# Altium PCB roach2.PcbDoc (part 8 of 39) (continued)
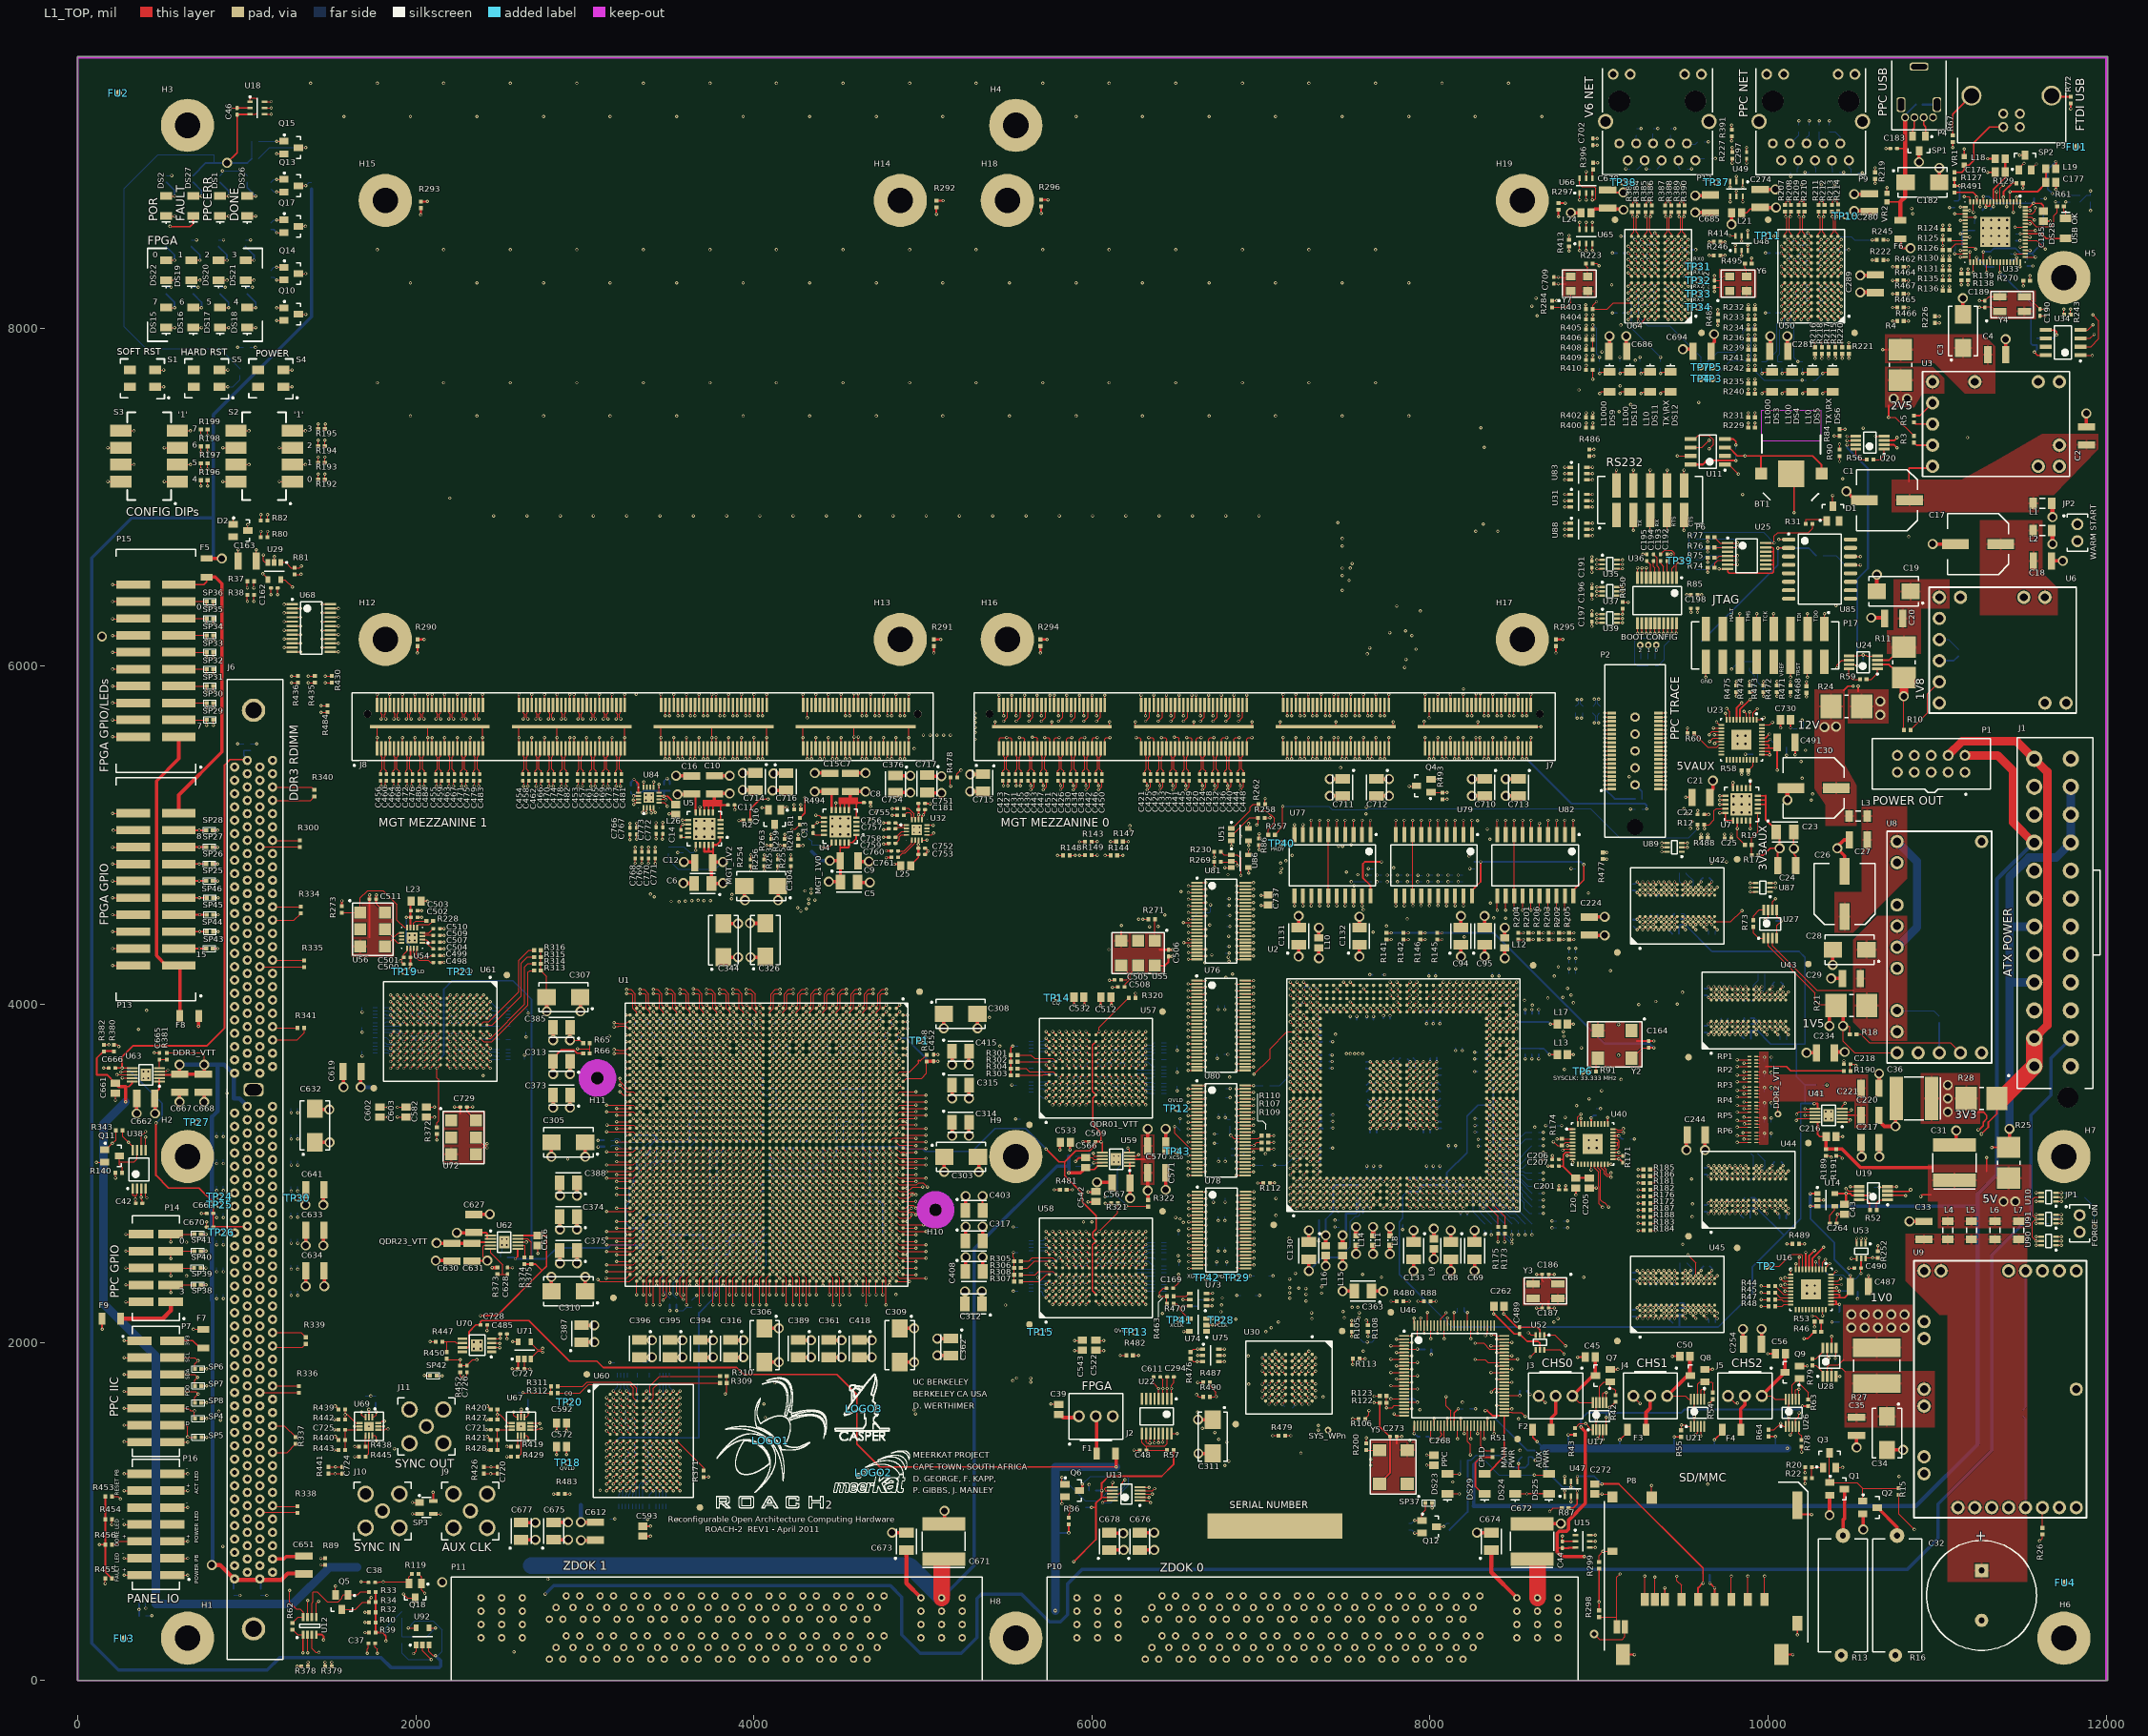
[diagram p0: L1_TOP view]
## Nets (pads, with @x,y where several pads share a name; then routed paths per layer and width w, separated by ;. In a path a pad name is that pad's centre, name@x,y a point inside that pad or via, vN(x,y) a via of type N, cw(c..) or ccw(c..) an arc to the next point about the centre after c; other vN are vias at no path point) (continued)
  L12_S w5: v2(1193.11,7092.99) 1418.29,7092.99 v2(1462.68,7137.38)
CONFIG_DIP1: R193.1 S2.2 U46.42 | length 16417.7
  L1_TOP w5: S2.2@1270.31,7192.6 v2(1347.51,7192.6) ; R193.1@1462.68,7202.99 v2(1462.68,7237.38) ; U46.42@8221.73,1506.73 8221.73,1411.86 8238.99,1394.6 v2(8238.99,1334.68)
  L8_R w5: v2(1347.51,7192.6) 1347.51,7240.47 1122.99,7464.99 526.99,7464.99 433.99,7371.99 433.99,6331.58 201.6,6099.19 199.65,6099.19 141,6040.54 141,3795.49 168.79,3767.7 168.79,3754.28 171.99,3751.08 171.99,2846.69 228.99,2789.69 228.99,1352.99 392.99,1188.99 568.99,1188.99 634.75,1123.23 634.75,1116.28 644.24,1106.79 651.19,1106.79 876.61,881.37 949.51,881.37 988.88,842 1017.1,842 1045.85,870.75 1097.01,870.75 1136.38,831.38 1186.66,831.38 1245.05,772.99 1455.01,772.99 1513,715 2955,715 3120.99,880.99 3826.95,880.99 4245.76,1299.8 5377.85,1299.8 5431.66,1245.99 6112.62,1245.99 6121.12,1237.49 6164.87,1237.49 6173.37,1245.99 6361.66,1245.99 6496.66,1110.99 7819.32,1110.99 7954.32,1245.99 8000.21,1245.99 8007.21,1252.99 8157.3,1252.99 v2(8238.99,1334.68)
  L12_S w5: v2(1347.51,7192.6) 1417.9,7192.6 v2(1462.68,7237.38)
CONFIG_DIP2: R194.1 S2.3 U46.41 | length 16241.6
  L1_TOP w5: v2(1193.11,7293.39) S2.3@1270.31,7293.39 ; R194.1@1462.68,7302.99 v2(1462.68,7337.38) ; v3(8202.05,1461.52) U46.41@8202.05,1506.73
  L8_R w5: v2(1193.11,7293.39) 1193.11,7336.87 1100.99,7428.99 540.99,7428.99 454.99,7342.99 454.99,6322.88 222.56,6090.45 222.56,6076.28 165,6018.72 165,3803.89 201.19,3767.7 201.19,3745.68 192.99,3737.48 192.99,3187.9 188.79,3183.7 188.79,2955.19 192.99,2950.99 192.99,2855.39 251.97,2796.41 251.97,1382.02 418.99,1214.99 581.86,1214.99 667.15,1129.7 667.15,1128.83 846.49,949.49 955.71,949.49 959.93,945.26 959.93,936.97 986.78,910.12 1034.94,910.12 1063.69,881.37 1099.12,881.37 1138.49,842 1166.71,842 1186.66,861.95 1186.66,862.66 1210.99,886.99 1268.99,886.99 1356.99,798.99 1465.01,798.99 1486,778 1510,754 2962,754 3056,848 3056,863 3090.99,897.99 3380.61,897.99 3382.28,896.32 3395.7,896.32 3397.37,897.99 3819.91,897.99 4238.72,1316.8 5384.89,1316.8 5438.7,1262.99 6119.66,1262.99 6136.16,1246.49 6149.83,1246.49 6166.33,1262.99 6368.7,1262.99 6503.7,1127.99 7812.28,1127.99 7947.28,1262.99 7968.29,1262.99 7974.02,1257.26 7987.44,1257.26 7999.17,1268.99 8150.99,1268.99 8202.05,1320.05 v3(8202.05,1461.52)
  L12_S w5: v2(1193.11,7293.39) 1418.69,7293.39 v2(1462.68,7337.38)
CONFIG_DIP3: R195.1 S2.4 U46.40 | length 16712
  L1_TOP w5: S2.4@1270.31,7392.99 v2(1347.51,7392.99) ; R195.1@1464.99,7398.99 v2(1464.99,7433.38) ; U46.40@8182.36,1506.73 v3(8182.36,1551.94)
  L8_R w5: v2(1347.51,7392.99) 1380.99,7359.51 1380.99,7124.99 1268.99,7012.99 1178.99,7012.99 1094.99,7096.99 1094.99,7206.99 890.99,7410.99 568.99,7410.99 475.99,7317.99 475.99,6314.18 178,6016.19 178,3820 213.99,3784.01 213.99,3728.78 206.45,3721.24 206.45,3555.58 213.99,3548.05 213.99,3446.75 206.76,3439.51 206.76,3426.09 213.99,3418.86 213.99,3190.9 221.19,3183.7 221.19,3170.28 207.07,3156.16 207.07,2966.09 213.99,2959.18 213.99,2864.09 320.99,2757.09 320.99,2659.9 331.19,2649.7 331.19,2216.89 310.99,2196.69 310.99,1388.99 462.99,1236.99 608.99,1236.99 646.99,1198.99 666.99,1198.99 905.87,960.12 957.81,960.12 968.93,948.99 968.93,940.7 988.88,920.75 1017.1,920.75 1045.85,949.49 1109.74,949.49 1140.24,918.99 1294.99,918.99 1388.99,824.99 1470.01,824.99 1512,783 2584,783 2677,876 3000,876 3038.99,914.99 3368.55,914.99 3382.28,928.72 3395.7,928.72 3409.43,914.99 3812.87,914.99 4231.68,1333.8 5391.93,1333.8 5445.74,1279.99 6375.74,1279.99 6510.74,1144.99 7805.24,1144.99 7940.24,1279.99 7964.35,1279.99 7974.02,1289.66 7987.44,1289.66 7990.11,1286.99 8142.99,1286.99 8182.36,1326.36 v3(8182.36,1551.94)
  L12_S w5: v2(1347.51,7392.99) 1424.61,7392.99 v2(1464.99,7433.38)
CONFIG_DIP4: R196.1 S3.1 U46.39 | length 14919.1
  L1_TOP w5: v2(513.11,7092.99) S3.1@590.31,7092.99 ; v2(729.31,7066.61) R196.1@729.31,7100.99 ; v2(8162.68,1428.55) U46.39@8162.68,1506.73
  L8_R w5: v2(513.11,7092.99) 496.99,7076.87 496.99,6305.48 234.99,6043.48 234.99,3781.9 259.19,3757.7 259.19,3744.28 215.45,3700.54 215.45,3576.28 234.99,3556.74 234.99,3443.68 239.16,3439.51 239.16,3426.09 234.99,3421.93 234.99,2984 239.47,2979.51 239.47,2966.09 234.99,2961.61 234.99,2872.79 341.99,2765.79 341.99,2197.99 332.99,2188.99 332.99,1416.99 472.99,1276.99 628.99,1276.99 877.75,1028.23 960.14,1028.23 999.51,988.86 1034.94,988.86 1063.69,960.12 1091.9,960.12 1120.65,988.86 1269.12,988.86 1410.7,847.28 1487.72,847.28 1527,808 2568,808 2658.15,898.15 3002.15,898.15 3035.99,931.99 3154.41,931.99 3156.11,930.29 3199.61,930.29 3201.31,931.99 3341.24,931.99 3355.11,945.86 3355.11,960.02 3364.6,969.51 3378.02,969.51 3415.53,931.99 3525.67,931.99 3529.55,928.11 3573.06,928.11 3576.94,931.99 3805.83,931.99 4224.64,1350.8 5398.97,1350.8 5452.78,1296.99 6382.78,1296.99 6517.78,1161.99 7798.2,1161.99 7933.2,1296.99 7968.62,1296.99 7970.29,1298.66 7991.17,1298.66 7992.84,1296.99 8016.2,1296.99 8018.2,1298.99 8126.99,1298.99 8150.99,1322.99 8150.99,1388.99 8162.68,1400.68 v2(8162.68,1428.55)
  L12_S w5: v2(513.11,7092.99) 539.5,7066.61 v2(729.31,7066.61)
CONFIG_DIP5: R197.1 S3.2 U46.37 | length 15207
  L1_TOP w5: S3.2@590.31,7192.6 v2(667.51,7192.6) ; v2(729.31,7166.61) R197.1@729.31,7200.99 ; v2(8094.99,1678.78) 8094.99,1624.39 8123.31,1596.08 U46.37@8123.31,1506.73
  L8_R w5: v2(667.51,7192.6) 667.51,7143.51 517.99,6993.99 517.99,6296.79 255.99,6034.79 255.99,3773.63 281.19,3748.43 281.19,3558.28 255.99,3533.08 255.99,2881.48 362.99,2774.48 362.99,1414.99 466.99,1310.99 630.99,1310.99 903.13,1038.86 942.3,1038.86 971.04,1067.6 1022.21,1067.6 1061.58,1028.23 1109.74,1028.23 1138.49,999.49 1363.49,999.49 1529.97,833 2508,833 2647.17,972.17 2992.32,972.17 3015.5,948.99 3161.45,948.99 3171.15,939.29 3184.57,939.29 3194.27,948.99 3331.35,948.99 3360.87,978.51 3381.74,978.51 3411.26,948.99 3532.71,948.99 3544.6,937.11 3558.02,937.11 3569.9,948.99 3798.78,948.99 4217.6,1367.8 5406.01,1367.8 5459.83,1313.99 6389.83,1313.99 6524.83,1178.99 7791.16,1178.99 7926.16,1313.99 7952.31,1313.99 7958.98,1307.32 7966.22,1307.32 7966.57,1307.66 7994.9,1307.66 7995.24,1307.32 8002.48,1307.32 8008.16,1312.99 8118.99,1312.99 8126.99,1320.99 8126.99,1646.78 v2(8094.99,1678.78)
  L12_S w5: v2(667.51,7192.6) 693.51,7166.61 v2(729.31,7166.61)
CONFIG_DIP6: R198.1 S3.3 U46.36 | length 15187.8
  L1_TOP w5: v2(513.11,7293.39) S3.3@590.31,7293.39 ; v2(729.31,7266.61) R198.1@729.31,7300.99 ; U46.36@8103.62,1506.73 v3(8103.62,1551.94)
  L8_R w5: v2(513.11,7293.39) 527.51,7278.99 622.99,7278.99 683.71,7218.27 683.71,7089.71 538.99,6944.99 538.99,6288.09 276.99,6026.09 276.99,3782.33 290.19,3769.13 290.19,3537.58 276.99,3524.38 276.99,3440.33 266.49,3429.83 266.49,3416.16 276.99,3405.66 276.99,3194.63 275.79,3193.43 275.79,3172.55 276.99,3171.35 276.99,2888.65 383.99,2781.65 383.99,2197.99 392.99,2188.99 392.99,1436.99 486.99,1342.99 652.99,1342.99 889.01,1106.97 960.14,1106.97 988.88,1078.22 1024.32,1078.22 1063.69,1038.86 1109.74,1038.86 1140.11,1069.22 1429.78,1069.22 1528,971 1736,971 1768,939 1836,939 1865,968 1927,968 1942,953 2151,953 2168,970 2252,970 2285,937 2357,937 2401.17,981.17 2996.05,981.17 3011.23,965.99 3165.45,965.99 3171.15,971.69 3184.57,971.69 3190.27,965.99 3324.31,965.99 3345.83,987.51 3396.79,987.51 3418.3,965.99 3541.08,965.99 3544.6,969.51 3558.02,969.51 3561.53,965.99 3791.74,965.99 4210.56,1384.8 5413.05,1384.8 5466.87,1330.99 6396.87,1330.99 6531.87,1195.99 7784.12,1195.99 7919.12,1330.99 7959.35,1330.99 7964.53,1336.17 7964.53,1339.23 7974.02,1348.72 7987.44,1348.72 7996.93,1339.23 7996.93,1336.17 8002.11,1330.99 8102.99,1330.99 8110.99,1338.99 8110.99,1442.99 8103.62,1450.36 v3(8103.62,1551.94)
  L12_S w5: v2(513.11,7293.39) 539.89,7266.61 v2(729.31,7266.61)
CONFIG_DIP7: R199.1 S3.4 U46.35 | length 14784.3
  L1_TOP w5: S3.4@590.31,7392.99 v2(667.51,7392.99) ; v2(729.31,7366.61) R199.1@729.31,7400.99 ; v2(8083.94,1428.55) U46.35@8083.94,1506.73
  L8_R w5: v2(667.51,7392.99) 684.99,7392.99 694.99,7382.99 694.99,7364.99 ; v2(729.31,7366.61) 696.61,7366.61 694.99,7364.99 ; 8058.99,1356.99 8068.99,1356.99 ; v2(8083.94,1428.55) 8083.94,1371.94 8068.99,1356.99 ; 694.99,7364.99 694.99,6968.99 559.99,6833.99 559.99,6279.39 297.99,6017.39 297.99,3791.03 299.19,3789.83 299.19,3516.89 297.99,3515.69 297.99,3431.33 299.49,3429.83 299.49,3416.16 295.32,3411.98 295.32,3331.76 297.99,3329.09 297.99,3202.9 284.79,3189.7 284.79,3176.28 297.99,3163.08 297.99,2897.35 331.96,2863.38 348.08,2863.38 404.99,2806.47 404.99,2206.99 422.99,2188.99 422.99,1450.99 505.98,1368 675.98,1368 876.99,1166.99 876.99,1154.68 914.08,1117.59 942.3,1117.59 971.04,1146.34 1022.21,1146.34 1061.58,1106.97 1109.74,1106.97 1138.49,1078.22 1490.78,1078.22 1547,1022 1725,1022 1766,1063 1837,1063 1882,1018 1932,1018 1934,1016 2067,1016 2086,1035 2258,1035 2285,1062 2356,1062 2402,1016 2973.95,1016 2999.78,990.17 3006.96,982.99 3317.27,982.99 3330.78,996.51 3411.83,996.51 3425.34,982.99 3784.7,982.99 4203.51,1401.8 5420.1,1401.8 5473.91,1347.99 6241.4,1347.99 6242.6,1346.79 6256.02,1346.79 6257.22,1347.99 6403.91,1347.99 6538.91,1212.99 7777.08,1212.99 7921.8,1357.72 8068.26,1357.72 8068.99,1356.99
CPLD_CLK: R200.2 U46.23 | length 417.4
  L1_TOP w5: R200.2@7622.99,1402.68 v2(7622.99,1434.99) ; U46.23@7846.73,1606.14 v3(7891.94,1606.14)
  L8_R w5: v2(7622.99,1434.99) 7716.99,1528.99 7814.79,1528.99 v3(7891.94,1606.14)
CPLD_IRQN: R88.1 U2.V32 U46.90 | length 2378.4
  L1_TOP w5: U2.V32@7862.68,4033.86 v1(7882.36,4053.54) ; v2@7931.31,2242.99 R88.1@7963.31,2242.99 ; U46.90@8103.62,2099.25 v3(8103.62,2144.46)
  L9_R w3.8: v2(7929.31,2242.99) 7929.31,2240.68 7964.99,2204.99 8043.09,2204.99 v3(8103.62,2144.46)
  L14_S w3.8: v1(7882.36,4053.54) 7902.99,4032.92 7902.99,3964.99 7922.99,3944.99 7972.99,3944.99 7998.99,3918.99 7998.99,3884.46 8058.46,3824.99 8062.99,3824.99 8080.99,3806.99 8080.99,2980.6 8094.81,2966.78 8094.81,2787.24 8080.99,2773.42 8080.99,2356.99 8118.99,2318.99 8118.99,2159.83 v3(8103.62,2144.46)
CPLD_LEDN: R51.1 U46.46 | length 199.7
  L1_TOP w5: U46.46@8300.47,1506.73 8300.47,1388.5 8329.29,1359.68 R51.1@8370,1359.68
CPLD_PRDY: R269.1 U46.95 U86.2 | length 5083.6
  L1_TOP w5: R269.1@6762.68,4842.99 6821.34,4842.99 U86.2@6824.8,4846.46 6851.53,4846.46 6860.99,4836.99 6860.99,4822.99 v2(6858.99,4820.99) ; v2(8005.2,2021.07) U46.95@8005.2,2099.25
  L9_R w3.8: v2(7578.99,2146.99) 7848.99,2146.99 7912.99,2082.99 7974.99,2082.99 8005.2,2052.79 v2(8005.2,2021.07)
  L14_S w3.8: v2(6858.99,4820.99) 6858.99,4790.99 6840.99,4772.99 6840.99,4706.52 6840.62,4706.15 6840.62,4191.42 6846.59,4185.45 6846.59,4134.42 6839.72,4127.55 6839.72,3601.55 6840.99,3600.28 6840.99,3550.99 6798.99,3508.99 6798.99,3378.99 6816.99,3360.99 6816.99,3243.05 6805.39,3231.45 6805.39,3218.53 6816.93,3206.99 6872.99,3206.99 6890.99,3188.99 6890.99,1688.99 7000.99,1578.99 7310.99,1578.99 7406.99,1674.99 7406.99,1764.99 7576.99,1934.99 7576.99,2144.99 v2(7578.99,2146.99)
CPLD_TCK: U46.48 U77.16 | length 4554.9
  L1_TOP w5: v2(7447.99,4583.31) U77.16@7447.99,4641.89 ; U46.48@8339.84,1506.73 v3(8339.84,1551.94)
  L8_R w3.8: v2(7447.99,4583.31) 7447.99,4773.99 7554.99,4880.99 8138.99,4880.99 8142.99,4876.99 v2(8230.99,4876.99)
  L14_S w3.8: v2(8230.99,4876.99) 8252.99,4854.99 8252.99,3732.62 8248.18,3727.81 8248.18,3239.6 8252.29,3235.49 8252.29,2723.15 8227.56,2698.42 8227.56,2408.32 8252.99,2382.89 8252.99,2074.99 8212.99,2034.99 8212.99,1678.79 8269.19,1622.59 8275.45,1622.59 8339.84,1558.2 v3(8339.84,1551.94)
CPLD_TDI: R479.2 U46.45 | length 1226.3
  L1_TOP w5: R479.2@7142.68,1447.99 v2@7174.68,1447.99 ; v3(8280.79,1461.52) U46.45@8280.79,1506.73
  L12_S w5: v2(7176.68,1447.99) 7495.99,1447.99 7556.99,1508.99 8233.32,1508.99 v3(8280.79,1461.52)
CPLD_TDO: R480.1 U46.83 U52.4 | length 1061.1
  L1_TOP w5: R480.1@7842.68,2242.99 v2@7874.68,2242.99 ; v2(8241.42,2021.07) U46.83@8241.42,2099.25 ; v7(8593,1915) 8624.41,1946.41 U52.4@8624.41,1956.54
  L3_S w3.94: v2(8241.42,2021.07) 8293.93,2021.07 8319.17,1995.83 8464.17,1995.83 8555,1905 8583,1905 v7(8593,1915)
  L9_R w3.8: v2(7876.68,2242.99) 7907.25,2242.99 7922.85,2258.59 8043.14,2258.59 8127.39,2174.34 8127.39,2170.97 8241.42,2056.94 v2(8241.42,2021.07)
CPLD_TMS: U46.47 U79.9 | length 4416.7
  L1_TOP w5: U79.9@7847.99,5004.09 v2(7847.99,5088.42) ; v2(8320.16,1428.55) U46.47@8320.16,1506.73
  L8_R w3.8: v2(7847.99,5088.42) 7870.56,5110.99 8264.99,5110.99 8280.99,5094.99 v2(8280.99,5086.99)
  L14_S w3.8: v2(8280.99,5086.99) 8280.99,4149.42 8291.66,4138.75 8291.66,3247.59 8269.83,3225.76 8269.83,2979.47 8298.42,2950.89 8298.42,2640.42 8276.99,2618.99 8276.99,2459.09 8298.42,2437.67 8298.42,2387.56 8265.19,2354.33 8265.19,2015.04 8228.99,1978.84 8228.99,1717.05 8355.44,1590.6 8355.44,1545.48 8320.16,1510.2 v2(8320.16,1428.55)
DDR2.A0: R151.2 RP6.1 U42.M8 U43.M8 U44.M8 U45.M8 | length 4761.1
  L1_TOP w5: U45.M8@9588.58,2377.95 v4(9604.33,2393.7) ; U42.M8@9588.58,4677.17 v4(9604.33,4692.91) ; v2@9857.15,3241.52 RP6.1@9889.31,3241.52 RP6.1@9897.31,3241.52 ; U44.M8@10009.84,2998.03 v4(10025.59,3013.78) ; U43.M8@10009.84,4057.09 v4(10025.59,4072.83)
  L9_R w3.8: v2(9852.31,3240.31) 9840.62,3251.99 9809.99,3251.99 9801.71,3260.28 9801.71,3678.61 9810.84,3687.75 9814.75,3687.75 9910.99,3783.99 9950.99,3783.99 9978.49,3811.49 9978.49,3947.49 10009.99,3978.99 10009.99,4057.23 v4(10025.59,4072.83)
  L12_S w3.8: v4(9604.33,2393.7) 9619.99,2409.36 9619.99,2476.99 9760.99,2617.99 9841.99,2617.99 9978.49,2754.49 9978.49,2884.49 10041.19,2947.19 10041.19,2998.18 v4(10025.59,3013.78) 10009.99,3029.38 10009.99,3135.99 9905.68,3240.31 v2(9852.31,3240.31) ; v4(9604.33,4692.91) 9604.33,4692.62 9619.93,4677.02 9619.93,4606.05 10041.19,4184.79 10041.19,4088.43 v4(10025.59,4072.83)
  L14_S w3.8: v2(8603.31,2635.31) 8725.31,2635.31 8798.39,2708.39 8798.39,2724.45 8858.93,2784.99 8902.99,2784.99 8964.99,2846.99 8964.99,2922.99 8980.99,2938.99 9026.99,2938.99 9046.99,2958.99 9046.99,3060.99 9086.99,3100.99 9128.42,3100.99 9224.12,3196.69 9224.12,3208.12 9258.52,3242.52 9850.09,3242.52 v2(9852.31,3240.31)
  L16_BOT w5: R151.2@8602.99,2663.31 8602.99,2635.62 v2(8603.31,2635.31)
DDR2.A1: R152.2 RP4.1 U42.M3 U43.M3 U44.M3 U45.M3 | length 4937.8
  L1_TOP w5: U45.M3@9588.58,2220.47 v4(9604.33,2204.72) ; U42.M3@9588.58,4519.68 v4(9604.33,4503.94) ; v2@9857.15,3421.52 9857.46,3421.52 RP4.1@9889.31,3421.52 RP4.1@9897.31,3421.52 ; U44.M3@10009.84,2840.55 v4(10025.59,2824.8) ; U43.M3@10009.84,3899.61 v4(10025.59,3883.86)
  L8_R w3.8: v4(9604.33,4503.94) 9619.93,4488.34 9795.65,4488.34 10072.69,4211.3 10072.69,3979.69 10025.59,3932.59 v4(10025.59,3883.86)
  L12_S w3.8: v4(9604.33,2204.72) 9682.92,2283.32 9682.92,2446.92 9804.99,2568.99 9873.99,2568.99 10041.19,2736.19 10041.19,2809.2 v4(10025.59,2824.8) 10025.59,2853.59 10104.18,2932.18 10104.18,3051.74 10102.99,3052.93 10102.99,3175.05 10011.05,3266.99 9948.99,3266.99 9841.86,3374.12 9841.86,3388.93 9857.46,3404.53 v2(9857.46,3421.83) 9817.15,3421.83 9799.99,3438.99 9799.99,3508.99 9811.99,3520.99 9844.56,3520.99 9851,3527.43 9863.93,3527.43 9866.68,3524.68 9998.99,3656.99 9998.99,3803.7 10009.69,3814.4 10009.69,3867.96 v4(10025.59,3883.86)
  L14_S w3.8: v2(8670.68,2803.31) 8695.31,2803.31 8787.39,2895.39 8787.39,2941.39 8836.99,2990.99 8836.99,3034.99 8844.99,3042.99 8855.51,3042.99 8942.99,3130.48 8947.2,3130.48 8958.26,3141.54 8958.26,3220.26 9000.99,3262.99 9000.99,3326.99 9096.52,3422.52 9856.78,3422.52 v2(9857.46,3421.83)
  L16_BOT w5: R152.2@8642.68,2802.99 8670.36,2802.99 v2(8670.68,2803.31)
DDR2.A2: R153.2 RP3.3 U42.M7 U43.M7 U44.M7 U45.M7 | length 4787.7
  L1_TOP w5: U45.M7@9588.58,2346.46 v4(9604.33,2362.2) ; U42.M7@9588.58,4645.67 v4(9604.33,4661.42) ; v2@9857.15,3472.15 9857.46,3472.15 RP3.3@9889.31,3472.15 RP3.3@9897.31,3472.15 ; U44.M7@10009.84,2966.54 v4(10025.59,2982.28) ; U43.M7@10009.84,4025.59 v4(10025.59,4041.34)
  L5_S w3.8: v2(9857.46,3472.46) 9951.99,3377.94 9951.99,3306.99 10006.39,3252.59 10025.45,3252.59 10072.69,3205.36 10072.69,2975.82 10063.55,2966.68 10041.19,2966.68 v4(10025.59,2982.28)
  L8_R w3.8: v4(9604.33,2362.2) 9619.93,2377.8 9619.93,2443.93 9676.09,2500.09 9755.09,2500.09 10009.69,2754.69 10009.69,2838.29 9994.09,2853.89 9994.09,2950.79 v4(10025.59,2982.28) ; v4(9604.33,4661.42) 9588.73,4645.82 9588.73,4429.25 9642.99,4374.99 9850.99,4374.99 10009.99,4215.99 10009.99,4056.94 v4(10025.59,4041.34) 10025.59,4006.49 9978.49,3959.39 9978.49,3885.99 9978.2,3885.7 9978.2,3784.2 9922.99,3728.99 9922.99,3537.99 v2(9857.46,3472.46)
  L14_S w3.8: v2(8670.68,2883.31) 8691.31,2883.31 8806.99,2998.99 8806.99,3070.99 8896.99,3160.99 8896.99,3202.99 8970.99,3276.99 8970.99,3372.99 9071.15,3473.15 9856.78,3473.15 v2(9857.46,3472.46)
  L16_BOT w5: R153.2@8642.68,2882.99 8670.36,2882.99 v2(8670.68,2883.31)
DDR2.A3: R154.2 RP4.2 U42.N2 U43.N2 U44.N2 U45.N2 | length 4855.1
  L1_TOP w5: U45.N2@9620.08,2188.98 v4(9635.83,2173.23) ; U42.N2@9620.08,4488.19 v4(9635.83,4472.44) ; v2@9816.99,3401.83 9817.31,3401.83 RP4.2@9889.31,3401.83 RP4.2@9897.31,3401.83 ; U44.N2@10041.34,2809.06 v4(10057.09,2793.31) ; U43.N2@10041.34,3868.11 v4(10057.09,3852.36)
  L5_S w3.8: v2(9817.31,3402.15) 9817.31,3384.84 9832.91,3369.24 9842.12,3369.24 9898.79,3312.57 9898.79,2966.19 10009.99,2854.99 10009.99,2818.34 10019.13,2809.2 10041.19,2809.2 v4(10057.09,2793.31)
  L9_R w3.8: v4(9635.83,4472.44) 9651.43,4488.04 9696.94,4488.04 10072.69,4112.3 10072.69,3970.69 10041.49,3939.49 10041.49,3867.96 v4(10057.09,3852.36) 10057.09,3852.07 10041.49,3836.47 10041.49,3792.49 9920.99,3671.99 9920.99,3440.99 9882.15,3402.15 v2(9817.31,3402.15)
  L14_S w3.8: v2(8670.68,2763.31) 8695.31,2763.31 8818.99,2886.99 8818.99,2946.99 8850.99,2978.99 8850.99,3016.99 8966.06,3132.06 8966.06,3208.06 9014.99,3256.99 9014.99,3316.99 9100.83,3402.83 9816.62,3402.83 v2(9817.31,3402.15) ; v4(9635.83,2173.23) 9620.23,2188.83 9620.23,2444.23 9739.99,2563.99 9925.99,2563.99 10041.49,2679.49 10041.49,2777.71 v4(10057.09,2793.31)
  L16_BOT w5: R154.2@8642.68,2762.99 8670.36,2762.99 v2(8670.68,2763.31)
DDR2.A4: R155.2 RP3.1 U42.N8 U43.N8 U44.N8 U45.N8 | length 4720.2
  L1_TOP w5: U45.N8@9620.08,2377.95 v4(9635.83,2393.7) ; U42.N8@9620.08,4677.17 v4(9635.83,4692.91) ; v2@9857.15,3511.52 9857.46,3511.52 RP3.1@9889.31,3511.52 RP3.1@9897.31,3511.52 ; U44.N8@10041.34,2998.03 v4(10057.09,3013.78) ; U43.N8@10041.34,4057.09 v4(10057.09,4072.83)
  L3_S w3.8: v2(9857.46,3511.83) 9841.86,3496.23 9841.86,3376 9851,3366.86 9900.12,3366.86 9934.99,3331.99 9934.99,3306.99 9999.99,3241.99 9999.99,3209.99 10057.09,3152.9 v4(10057.09,3013.78)
  L8_R w3.8: v4(9635.83,2393.7) 9635.83,2428.97 9683.85,2476.99 9800.99,2476.99 10041.19,2717.19 10041.19,2997.88 v4(10057.09,3013.78)
  L12_S w3.8: v2(9857.46,3511.83) 9901.83,3511.83 9961.99,3571.99 10016.05,3571.99 10034.59,3590.53 10034.59,3839.3 10041.19,3845.9 10041.19,4056.94 v4(10057.09,4072.83)
  L14_S w3.8: v2(8670.68,2963.31) 8697.31,2963.31 8762.99,3028.99 8762.99,3140.99 8924.99,3302.99 8924.99,3376.99 8968.99,3420.99 8968.99,3448.99 8993.39,3473.39 9021.45,3473.39 9060.58,3512.52 9392.99,3512.52 ; 9395.15,3512.52 9392.99,3512.52 ; v4(9635.83,4692.91) 9651.72,4677.02 9651.72,4638.26 9685.99,4603.99 9752.99,4603.99 10057.09,4299.9 v4(10057.09,4072.83) ; v2(9857.46,3511.83) 9856.78,3512.52 9392.99,3512.52
  L16_BOT w5: R155.2@8642.68,2962.99 8670.36,2962.99 v2(8670.68,2963.31)
DDR2.A5: R156.2 RP3.2 U42.N3 U43.N3 U44.N3 U45.N3 | length 4926.7
  L1_TOP w5: U45.N3@9620.08,2220.47 v4(9635.83,2204.72) ; U42.N3@9620.08,4519.68 v4(9635.83,4503.94) ; v2@9816.99,3491.83 9817.31,3491.83 RP3.2@9889.31,3491.83 RP3.2@9897.31,3491.83 ; U44.N3@10041.34,2840.55 v4(10057.09,2824.8) ; U43.N3@10041.34,3899.61 v4(10057.09,3883.86)
  L3_S w3.8: v4(9635.83,2204.72) 9651.72,2220.62 9651.72,2400.16 9660.86,2409.3 9748.3,2409.3 10041.49,2702.49 10041.49,2809.2 v4(10057.09,2824.8)
  L5_S w3.8: v2(9817.31,3492.15) 9936.84,3492.15 9998.99,3429.99 9998.99,3290.08 10104.18,3184.89 10104.18,2958.88 10057.09,2911.79 v4(10057.09,2824.8)
  L9_R w3.8: v4(9635.83,4503.94) 9658.88,4526.99 9699.99,4526.99 10104.18,4122.8 10104.18,3968.18 10057.09,3921.09 v4(10057.09,3883.86)
  L12_S w3.8: v2(9817.31,3492.15) 9911.15,3492.15 9923.99,3504.99 ; 9925.99,3506.99 9923.99,3504.99 ; v4(10057.09,3883.86) 10057.09,3883.56 10072.69,3867.96 10072.69,3589.69 10032.99,3549.99 9968.99,3549.99 9923.99,3504.99
  L14_S w3.8: v3(8670.68,2923.31) 8703.31,2923.31 8780.99,3000.99 8780.99,3104.99 8937.39,3261.39 8937.39,3365.39 9064.83,3492.83 9816.62,3492.83 v2(9817.31,3492.15)
  L16_BOT w5: R156.2@8642.68,2922.99 8670.36,2922.99 v3(8670.68,2923.31)
DDR2.A6: R157.2 RP3.4 U42.N7 U43.N7 U44.N7 U45.N7 | length 4836.5
  L1_TOP w5: U45.N7@9620.08,2346.46 v4(9635.83,2362.2) ; U42.N7@9620.08,4645.67 v4(9635.83,4661.42) ; v2@9816.99,3452.46 9817.31,3452.46 RP3.4@9889.31,3452.46 RP3.4@9897.31,3452.46 ; U44.N7@10041.34,2966.54 v4(10057.09,2982.28) ; U43.N7@10041.34,4025.59 v4(10057.09,4041.34)
  L3_S w3.8: v4(9635.83,2362.2) 9620.23,2377.8 9620.23,2400.16 9670.74,2450.68 9736.68,2450.68 10030.99,2744.99 10030.99,2765.84 10009.99,2786.85 10009.99,2863.99 10057.09,2911.09 v4(10057.09,2982.28)
  L5_S w3.8: v2(9817.31,3452.78) 9866.05,3452.78 9926.99,3391.84 9926.99,3142.99 10009.69,3060.29 10009.69,3007.61 10019.13,2998.18 10041.19,2998.18 v4(10057.09,2982.28)
  L12_S w3.8: v4(9635.83,4661.42) 9684.25,4612.99 9724.99,4612.99 10072.69,4265.3 10072.69,4056.94 v4(10057.09,4041.34) 10104.18,3994.24 10104.18,3596.18 10037.99,3529.99 9968.99,3529.99 9891.78,3452.78 v2(9817.31,3452.78)
  L14_S w3.8: v2(8670.68,2843.31) 8702,2843.31 8779.22,2920.53 8779.22,2953.22 8820.99,2994.99 8820.99,3063.24 8912.99,3155.24 8912.99,3198.99 8984.99,3270.99 8984.99,3334.99 9103.46,3453.46 9816.62,3453.46 v2(9817.31,3452.78)
  L16_BOT w5: R157.2@8642.68,2842.99 8670.36,2842.99 v2(8670.68,2843.31)
DDR2.A7: R158.2 RP2.1 U42.P2 U43.P2 U44.P2 U45.P2 | length 4625.5
  L1_TOP w5: U45.P2@9651.57,2188.98 v4(9667.32,2173.23) ; U42.P2@9651.57,4488.19 v4(9667.32,4472.44) ; v2@9857.15,3601.52 9857.46,3601.52 RP2.1@9889.31,3601.52 RP2.1@9897.31,3601.52 ; U44.P2@10072.83,2809.06 v4(10088.58,2793.31) ; U43.P2@10072.83,3868.11 v4(10088.58,3852.36)
  L5_S w3.8: v2(9857.46,3601.83) 10003.31,3455.99 10045.99,3455.99 10126.99,3374.99 10126.99,3078.99 10171.99,3033.99 10171.99,2876.72 v4(10088.58,2793.31)
  L12_S w3.8: v4(9667.32,2173.23) 9651.72,2188.83 9651.72,2218.72 9714.99,2281.99 9714.99,2357.99 10088.58,2731.58 v4(10088.58,2793.31)
  L14_S w3.8: v2(8670.68,3123.31) 8670.68,3141.24 8714.95,3185.51 8714.95,3193.9 8728.79,3207.75 8728.79,3284.85 9046.46,3602.52 9856.78,3602.52 v2(9857.46,3601.83) 9897.83,3601.83 9944.99,3648.99 9944.99,3681.99 10072.69,3809.69 10072.69,3836.47 v4(10088.58,3852.36) 10088.58,3861.8 10072.98,3877.4 10072.98,3933 10009.99,3995.99 10009.99,4217.99 9771.44,4456.54 9683.22,4456.54 v4(9667.32,4472.44)
  L16_BOT w5: R158.2@8642.68,3122.99 8670.36,3122.99 v2(8670.68,3123.31)
DDR2.A8: R159.2 RP2.4 U42.P8 U43.P8 U44.P8 U45.P8 | length 4844.6
  L1_TOP w5: U45.P8@9651.57,2377.95 v4(9667.32,2393.7) ; U42.P8@9651.57,4677.17 v4(9667.32,4692.91) ; v2@9817.31,3542.46 RP2.4@9889.31,3542.46 RP2.4@9897.31,3542.46 ; U44.P8@10072.83,2998.03 v4(10088.58,3013.78) ; U43.P8@10072.83,4057.09 v4(10088.58,4072.83)
  L3_S w3.8: v2(9817.31,3542.78) 9832.99,3527.09 9832.99,3369.15 9854.71,3347.43 9892.49,3347.43 9911.89,3328.04 9911.89,3273.1 10041.49,3143.5 10041.49,3007.32 10050.62,2998.18 10063.55,2998.18 10079.15,3013.78 v4(10088.58,3013.78)
  L8_R w3.8: v4(9667.32,2393.7) 9682.92,2378.1 9752.1,2378.1 10072.69,2698.69 10072.69,2895.1 10104.18,2926.59 10104.18,2998.18 v4(10088.58,3013.78)
  L14_S w3.8: v2(8670.68,3003.31) 8703.31,3003.31 8744.99,3044.99 8744.99,3140.99 8778.99,3174.99 8778.99,3209.35 8879.03,3309.39 8899.45,3309.39 8908.59,3318.53 8908.59,3378.59 8956.59,3426.59 8956.59,3460.59 9035.42,3539.42 v2@9813.95,3539.42 ; v4(9667.32,4692.91) 9683.24,4676.99 9753.99,4676.99 10067.99,4362.99 10067.99,4093.42 v4(10088.58,4072.83) 10088.58,4072.54 10135.68,4025.44 10135.68,3781.62 9900.93,3546.86 9821.39,3546.86 v2(9817.31,3542.78)
  L16_BOT w5: R159.2@8642.68,3002.99 v2@8670.36,3002.99
DDR2.A9: R160.2 RP2.2 U42.P3 U43.P3 U44.P3 U45.P3 | length 4790.5
  L1_TOP w5: U45.P3@9651.57,2220.47 v4(9667.32,2204.72) ; U42.P3@9651.57,4519.68 v4(9667.32,4503.94) ; v2@9816.99,3581.83 9817.31,3581.83 RP2.2@9889.31,3581.83 RP2.2@9897.31,3581.83 ; U44.P3@10072.83,2840.55 v4(10088.58,2824.8) ; U43.P3@10072.83,3899.61 v4(10088.58,3883.86)
  L5_S w3.8: v2(9817.31,3582.15) 9817.31,3580.56 9897.92,3499.95 9940.07,3499.95 9997.02,3442.99 10032.99,3442.99 10118.99,3356.99 10118.99,3049.99 10157.99,3010.99 10157.99,2894.21 v4(10088.58,2824.8)
  L12_S w3.8: v4(9667.32,2204.72) 9737.99,2275.39 9737.99,2350.99 10104.18,2717.18 10104.18,2809.2 v4(10088.58,2824.8)
  L14_S w3.8: v3(8670.68,3083.31) 8766.59,3179.22 8766.59,3217.39 8748.99,3234.99 8748.99,3284.99 8779.39,3315.39 8812.59,3315.39 8882.59,3385.39 8882.59,3422.59 9042.83,3582.83 9353.99,3582.83 ; 9354.99,3582.83 9353.99,3582.83 ; v4(9667.32,4503.94) 9789.05,4503.94 10041.19,4251.79 10041.19,4102.99 10041.49,4102.7 10041.49,4015.5 10088.58,3968.4 v4(10088.58,3883.86) 10088.58,3883.56 10104.18,3867.96 10104.18,3820.18 9996.99,3712.99 9996.99,3665.99 9913.15,3582.15 v2(9817.31,3582.15) 9816.62,3582.83 9353.99,3582.83
  L16_BOT w5: R160.2@8642.68,3082.99 8670.36,3082.99 v3(8670.68,3083.31)
DDR2.A10: R161.2 RP5.3 U42.M2 U43.M2 U44.M2 U45.M2 | length 4959.3
  L1_TOP w5: U45.M2@9588.58,2188.98 v4(9604.33,2173.23) ; U42.M2@9588.58,4488.19 v4(9604.33,4472.44) ; v2@9857.15,3292.15 9859.31,3292.15 RP5.3@9889.31,3292.15 RP5.3@9897.31,3292.15 ; U44.M2@10009.84,2809.06 v4(10025.59,2793.31) ; U43.M2@10009.84,3868.11 v4(10025.59,3852.36)
  L8_R w3.8: v4(9604.33,4472.44) 9604.33,4443.65 9648.99,4398.99 9860.99,4398.99 10030.99,4228.99 10030.99,4128.99 10041.19,4118.79 10041.19,3981.19 10009.99,3949.99 10009.99,3867.96 v4(10025.59,3852.36) 10025.59,3776.59 9952.99,3703.99 9952.99,3386.15 v2(9859.31,3292.46)
  L14_S w3.8: v2(8523.31,2635.31) 8581.59,2693.59 8739.59,2693.59 8774.99,2728.99 8774.99,2752.99 8840.99,2818.99 8878.99,2818.99 8940.99,2880.99 8940.99,2958.99 8980.99,2998.99 8980.99,3032.99 9076.99,3128.99 9076.99,3154.99 9142.99,3220.99 9158.99,3220.99 9230.99,3292.99 9858.78,3292.99 v2(9859.31,3292.46) 9882.52,3292.46 10005.99,3168.99 10005.99,3023.94 10009.69,3020.24 10009.69,2809.2 v4(10025.59,2793.31) 10025.59,2693.59 9916.99,2584.99 9684.99,2584.99 9588.73,2488.73 9588.73,2188.83 v4(9604.33,2173.23)
  L16_BOT w5: R161.2@8522.99,2663.31 8522.99,2635.62 v2(8523.31,2635.31)
DDR2.A11: R162.2 RP1.2 U42.P7 U43.P7 U44.P7 U45.P7 | length 4618.9
  L1_TOP w5: U45.P7@9651.57,2346.46 v4(9667.32,2362.2) ; U42.P7@9651.57,4645.67 v4(9667.32,4661.42) ; v2@9817.31,3671.83 RP1.2@9889.31,3671.83 RP1.2@9897.31,3671.83 ; U44.P7@10072.83,2966.54 v4(10088.58,2982.28) ; U43.P7@10072.83,4025.59 v4(10088.58,4041.34)
  L3_S w3.8: v4(9667.32,2362.2) 9743.2,2362.2 10072.69,2691.69 10072.69,2861.69 10088.58,2877.58 v4(10088.58,2982.28) ; v2(9817.31,3672.15) 9891.15,3745.99 9990.59,3745.99 10041.19,3796.59 10041.19,3883.7 ; 10041.49,3883.99 10041.49,3890.32 10088.58,3937.42 v4(10088.58,4041.34)
  L8_R w3.8: v4(9667.32,4661.42) 9667.32,4645.66 10104.18,4208.8 10104.18,4056.94 v4(10088.58,4041.34) ; v2(9817.31,3672.15) 9822.71,3672.15 9841.86,3652.99 9841.86,3646 9876.99,3610.87 9876.99,3550.99 9864.99,3538.99 9845.99,3538.99 9836.99,3529.99 9836.99,3280.99 9926.99,3190.99 9983.99,3190.99 10072.98,3102 10072.98,2997.88 v4(10088.58,2982.28)
  L14_S w3.8: v2(8670.68,3243.31) 8685.31,3243.31 8700.62,3258.62 8700.62,3308.62 9064.83,3672.83 v2@9816.62,3672.83
  L16_BOT w5: R162.2@8642.68,3242.99 v2@8670.36,3242.99